# Altium PCB top_LM_v3.PcbDoc (part 6 of 6)
Units mil, origin at the board's own origin, x right, y up, seen from the top; angles counter-clockwise.
Board outline 10500 x 5830 mil, 2 copper layers (Top Layer, Bottom Layer); 771 components, 701 nets, 1994 pads, 493 vias.
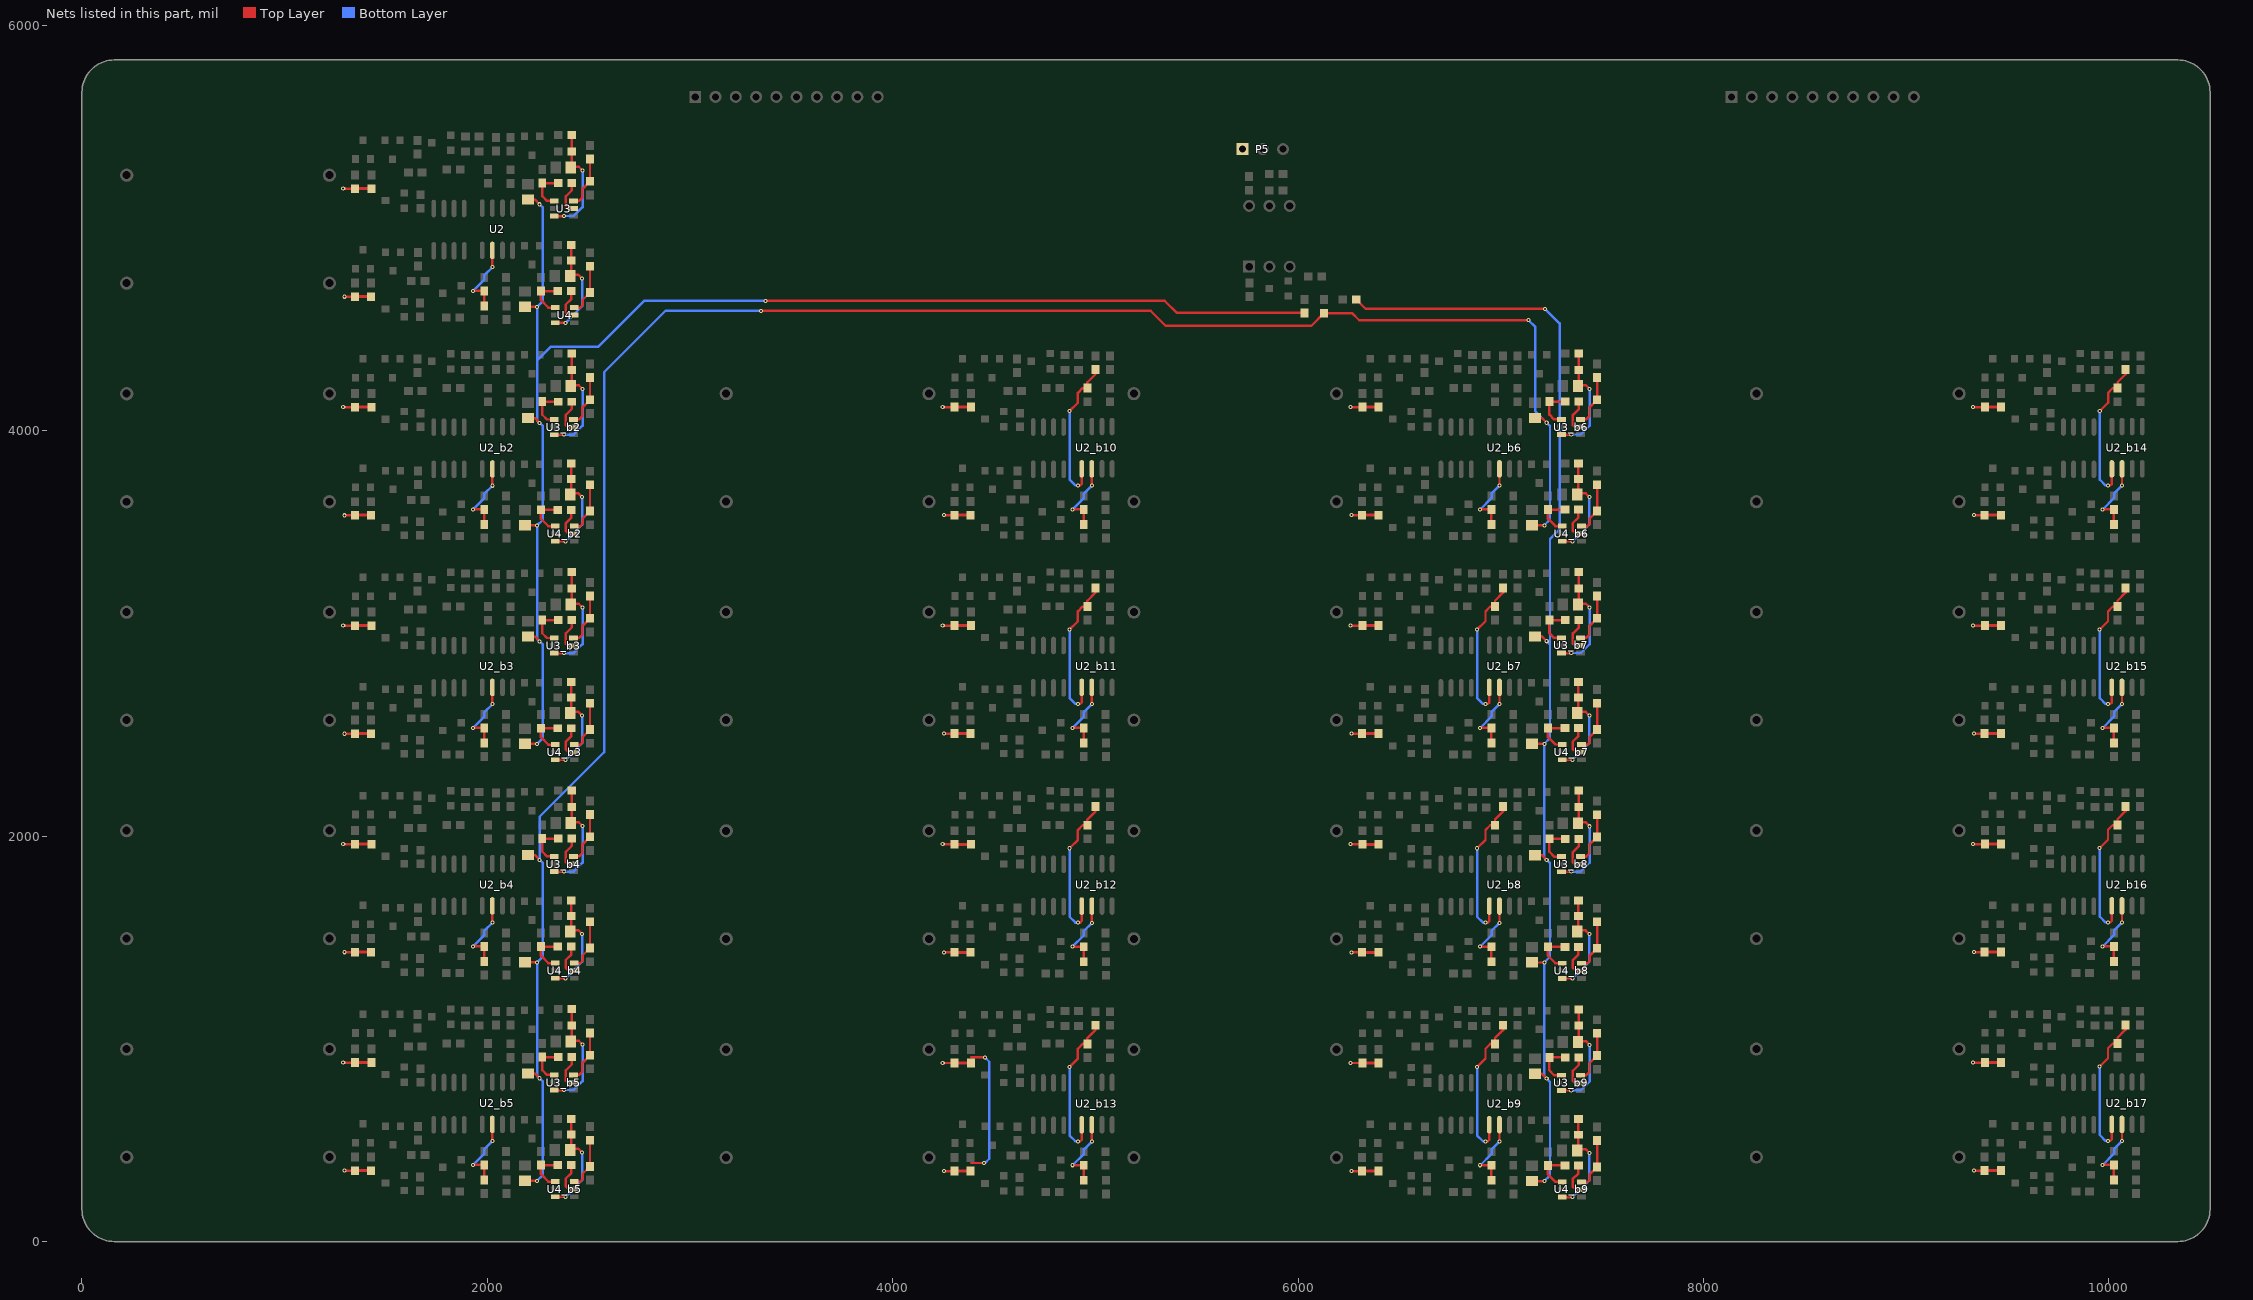
[diagram p6: the nets of this part, all layers, seen from the top]

## Via types
v1: diameter 20, hole 10, Top Layer to Bottom Layer, 402 vias
v2: diameter 40, hole 20, Top Layer to Bottom Layer, 53 vias
v3: diameter 30, hole 15, Top Layer to Bottom Layer, 34 vias
v4: diameter 125.98, hole 125.98, Top Layer to Bottom Layer, 4 vias

## Nets (pads, with @x,y where several pads share a name; then routed paths per layer and width w, separated by ;. In a path a pad name is that pad's centre, name@x,y a point inside that pad or via, vN(x,y) a via of type N, cw(c..) or ccw(c..) an arc to the next point about the centre after c; other vN are vias at no path point) (continued)
NetR47_b7_2: R47_b7.2 R48_b7.1 U2_b7.5 | length 759.5
  Top Layer w12: v1(6884.08,3019.58) 6925.08,3060.58 6925.08,3109.58 6948.54,3133.05 R48_b7.1@6972.08,3133.05 6972.08,3161.58 7012.08,3201.58 R47_b7.2@7012.08,3225.12 ; v1(6925.08,2652.58) 6936.08,2652.58 6944.08,2660.58 U2_b7.5@6944.08,2734.37
  Bottom Layer w12: v1(6884.08,3019.58) 6884.08,2681.58 6913.08,2652.58 v1(6925.08,2652.58)
NetR47_b8_2: R47_b8.2 R48_b8.1 U2_b8.5 | length 759.5
  Top Layer w12: v1(6884.08,1940.58) 6925.08,1981.58 6925.08,2030.58 6948.54,2054.05 R48_b8.1@6972.08,2054.05 6972.08,2082.58 7012.08,2122.58 R47_b8.2@7012.08,2146.12 ; v1(6925.08,1573.58) 6936.08,1573.58 6944.08,1581.58 U2_b8.5@6944.08,1655.37
  Bottom Layer w12: v1(6884.08,1940.58) 6884.08,1602.58 6913.08,1573.58 v1(6925.08,1573.58)
NetR47_b9_2: R47_b9.2 R48_b9.1 U2_b9.5 | length 759.5
  Top Layer w12: v1(6884.08,861.58) 6925.08,902.58 6925.08,951.58 6948.54,975.05 R48_b9.1@6972.08,975.05 6972.08,1003.58 7012.08,1043.58 R47_b9.2@7012.08,1067.12 ; v1(6925.08,494.58) 6936.08,494.58 6944.08,502.58 U2_b9.5@6944.08,576.37
  Bottom Layer w12: v1(6884.08,861.58) 6884.08,523.58 6913.08,494.58 v1(6925.08,494.58)
NetR47_b10_2: R47_b10.2 R48_b10.1 U2_b10.5 | length 759.5
  Top Layer w12: v1(4872.82,4097.58) 4913.82,4138.58 4913.82,4187.58 4937.29,4211.05 R48_b10.1@4960.82,4211.05 4960.82,4239.58 5000.82,4279.58 R47_b10.2@5000.82,4303.12 ; v1(4913.82,3730.58) 4924.82,3730.58 4932.82,3738.58 U2_b10.5@4932.82,3812.37
  Bottom Layer w12: v1(4872.82,4097.58) 4872.82,3759.58 4901.82,3730.58 v1(4913.82,3730.58)
NetR47_b11_2: R47_b11.2 R48_b11.1 U2_b11.5 | length 759.5
  Top Layer w12: v1(4872.82,3019.58) 4913.82,3060.58 4913.82,3109.58 4937.29,3133.05 R48_b11.1@4960.82,3133.05 4960.82,3161.58 5000.82,3201.58 R47_b11.2@5000.82,3225.12 ; v1(4913.82,2652.58) 4924.82,2652.58 4932.82,2660.58 U2_b11.5@4932.82,2734.37
  Bottom Layer w12: v1(4872.82,3019.58) 4872.82,2681.58 4901.82,2652.58 v1(4913.82,2652.58)
NetR47_b12_2: R47_b12.2 R48_b12.1 U2_b12.5 | length 759.5
  Top Layer w12: v1(4872.82,1940.58) 4913.82,1981.58 4913.82,2030.58 4937.29,2054.05 R48_b12.1@4960.82,2054.05 4960.82,2082.58 5000.82,2122.58 R47_b12.2@5000.82,2146.12 ; v1(4913.82,1573.58) 4924.82,1573.58 4932.82,1581.58 U2_b12.5@4932.82,1655.37
  Bottom Layer w12: v1(4872.82,1940.58) 4872.82,1602.58 4901.82,1573.58 v1(4913.82,1573.58)
NetR47_b13_2: R47_b13.2 R48_b13.1 U2_b13.5 | length 759.5
  Top Layer w12: v1(4872.82,861.58) 4913.82,902.58 4913.82,951.58 4937.29,975.05 R48_b13.1@4960.82,975.05 4960.82,1003.58 5000.82,1043.58 R47_b13.2@5000.82,1067.12 ; v1(4913.82,494.58) 4924.82,494.58 4932.82,502.58 U2_b13.5@4932.82,576.37
  Bottom Layer w12: v1(4872.82,861.58) 4872.82,523.58 4901.82,494.58 v1(4913.82,494.58)
NetR47_b14_2: R47_b14.2 R48_b14.1 U2_b14.5 | length 759.5
  Top Layer w12: v1(9955.82,4097.58) 9996.82,4138.58 9996.82,4187.58 10020.29,4211.05 R48_b14.1@10043.82,4211.05 10043.82,4239.58 10083.82,4279.58 R47_b14.2@10083.82,4303.12 ; v1(9996.82,3730.58) 10007.82,3730.58 10015.82,3738.58 U2_b14.5@10015.82,3812.37
  Bottom Layer w12: v1(9955.82,4097.58) 9955.82,3759.58 9984.82,3730.58 v1(9996.82,3730.58)
NetR47_b15_2: R47_b15.2 R48_b15.1 U2_b15.5 | length 759.5
  Top Layer w12: v1(9955.57,3019.58) 9996.57,3060.58 9996.57,3109.58 10020.04,3133.05 R48_b15.1@10043.57,3133.05 10043.57,3161.58 10083.57,3201.58 R47_b15.2@10083.57,3225.12 ; v1(9996.57,2652.58) 10007.57,2652.58 10015.57,2660.58 U2_b15.5@10015.57,2734.37
  Bottom Layer w12: v1(9955.57,3019.58) 9955.57,2681.58 9984.57,2652.58 v1(9996.57,2652.58)
NetR47_b16_2: R47_b16.2 R48_b16.1 U2_b16.5 | length 759.5
  Top Layer w12: v1(9955.57,1941.58) 9996.57,1982.58 9996.57,2031.58 10020.04,2055.05 R48_b16.1@10043.57,2055.05 10043.57,2083.58 10083.57,2123.58 R47_b16.2@10083.57,2147.12 ; v1(9996.57,1574.58) 10007.57,1574.58 10015.57,1582.58 U2_b16.5@10015.57,1656.37
  Bottom Layer w12: v1(9955.57,1941.58) 9955.57,1603.58 9984.57,1574.58 v1(9996.57,1574.58)
NetR47_b17_2: R47_b17.2 R48_b17.1 U2_b17.5 | length 759.5
  Top Layer w12: v1(9955.57,863.58) 9996.57,904.58 9996.57,953.58 10020.04,977.05 R48_b17.1@10043.57,977.05 10043.57,1005.58 10083.57,1045.58 R47_b17.2@10083.57,1069.12 ; v1(9996.57,496.58) 10007.57,496.58 10015.57,504.58 U2_b17.5@10015.57,578.37
  Bottom Layer w12: v1(9955.57,863.58) 9955.57,525.58 9984.57,496.58 v1(9996.57,496.58)
NetR49_2: R49.2 R50.1 U2.6 | length 370.4
  Top Layer w12: v1(1928.82,4690.58) 1984.36,4690.58 R49.2@1984.82,4690.12 R50.1@1984.82,4616.05 ; v1(2024.82,4807.58) U2.6@2024.82,4890.37
  Bottom Layer w12: v1(1928.82,4690.58) 1929.82,4690.58 1985.82,4746.58 1985.82,4768.58 v1(2024.82,4807.58)
NetR49_b2_2: R49_b2.2 R50_b2.1 U2_b2.6 | length 370.4
  Top Layer w12: v1(1928.82,3612.26) 1984.36,3612.26 R49_b2.2@1984.82,3611.8 R50_b2.1@1984.82,3537.72 ; v1(2024.82,3729.26) U2_b2.6@2024.82,3812.05
  Bottom Layer w12: v1(1928.82,3612.26) 1929.82,3612.26 1985.82,3668.26 1985.82,3690.26 v1(2024.82,3729.26)
NetR49_b3_2: R49_b3.2 R50_b3.1 U2_b3.6 | length 370.4
  Top Layer w12: v1(1928.82,2534.26) 1984.36,2534.26 R49_b3.2@1984.82,2533.8 R50_b3.1@1984.82,2459.72 ; v1(2024.82,2651.26) U2_b3.6@2024.82,2734.05
  Bottom Layer w12: v1(1928.82,2534.26) 1929.82,2534.26 1985.82,2590.26 1985.82,2612.26 v1(2024.82,2651.26)
NetR49_b4_2: R49_b4.2 R50_b4.1 U2_b4.6 | length 370.4
  Top Layer w12: v1(1928.82,1456.26) 1984.36,1456.26 R49_b4.2@1984.82,1455.8 R50_b4.1@1984.82,1381.72 ; v1(2024.82,1573.26) U2_b4.6@2024.82,1656.05
  Bottom Layer w12: v1(1928.82,1456.26) 1929.82,1456.26 1985.82,1512.26 1985.82,1534.26 v1(2024.82,1573.26)
NetR49_b5_2: R49_b5.2 R50_b5.1 U2_b5.6 | length 370.4
  Top Layer w12: v1(1928.82,378.26) 1984.36,378.26 R49_b5.2@1984.82,377.8 R50_b5.1@1984.82,303.72 ; v1(2024.82,495.26) U2_b5.6@2024.82,578.05
  Bottom Layer w12: v1(1928.82,378.26) 1929.82,378.26 1985.82,434.26 1985.82,456.26 v1(2024.82,495.26)
NetR49_b6_2: R49_b6.2 R50_b6.1 U2_b6.6 | length 370.4
  Top Layer w12: v1(6898.08,3612.58) 6953.61,3612.58 R49_b6.2@6954.08,3612.12 R50_b6.1@6954.08,3538.05 ; v1(6994.08,3729.58) U2_b6.6@6994.08,3812.37
  Bottom Layer w12: v1(6898.08,3612.58) 6899.08,3612.58 6955.08,3668.58 6955.08,3690.58 v1(6994.08,3729.58)
NetR49_b7_2: R49_b7.2 R50_b7.1 U2_b7.6 | length 370.4
  Top Layer w12: v1(6898.08,2534.58) 6953.61,2534.58 R49_b7.2@6954.08,2534.12 R50_b7.1@6954.08,2460.05 ; v1(6994.08,2651.58) U2_b7.6@6994.08,2734.37
  Bottom Layer w12: v1(6898.08,2534.58) 6899.08,2534.58 6955.08,2590.58 6955.08,2612.58 v1(6994.08,2651.58)
NetR49_b8_2: R49_b8.2 R50_b8.1 U2_b8.6 | length 370.4
  Top Layer w12: v1(6898.08,1455.58) 6953.61,1455.58 R49_b8.2@6954.08,1455.12 R50_b8.1@6954.08,1381.05 ; v1(6994.08,1572.58) U2_b8.6@6994.08,1655.37
  Bottom Layer w12: v1(6898.08,1455.58) 6899.08,1455.58 6955.08,1511.58 6955.08,1533.58 v1(6994.08,1572.58)
NetR49_b9_2: R49_b9.2 R50_b9.1 U2_b9.6 | length 370.4
  Top Layer w12: v1(6898.08,376.58) 6953.61,376.58 R49_b9.2@6954.08,376.12 R50_b9.1@6954.08,302.05 ; v1(6994.08,493.58) U2_b9.6@6994.08,576.37
  Bottom Layer w12: v1(6898.08,376.58) 6899.08,376.58 6955.08,432.58 6955.08,454.58 v1(6994.08,493.58)
NetR49_b10_2: R49_b10.2 R50_b10.1 U2_b10.6 | length 370.4
  Top Layer w12: v1(4886.82,3612.58) 4942.36,3612.58 R49_b10.2@4942.82,3612.12 R50_b10.1@4942.82,3538.05 ; v1(4982.82,3729.58) U2_b10.6@4982.82,3812.37
  Bottom Layer w12: v1(4886.82,3612.58) 4887.82,3612.58 4943.82,3668.58 4943.82,3690.58 v1(4982.82,3729.58)
NetR49_b11_2: R49_b11.2 R50_b11.1 U2_b11.6 | length 370.4
  Top Layer w12: v1(4886.82,2534.58) 4942.36,2534.58 R49_b11.2@4942.82,2534.12 R50_b11.1@4942.82,2460.05 ; v1(4982.82,2651.58) U2_b11.6@4982.82,2734.37
  Bottom Layer w12: v1(4886.82,2534.58) 4887.82,2534.58 4943.82,2590.58 4943.82,2612.58 v1(4982.82,2651.58)
NetR49_b12_2: R49_b12.2 R50_b12.1 U2_b12.6 | length 370.4
  Top Layer w12: v1(4886.82,1455.58) 4942.36,1455.58 R49_b12.2@4942.82,1455.12 R50_b12.1@4942.82,1381.05 ; v1(4982.82,1572.58) U2_b12.6@4982.82,1655.37
  Bottom Layer w12: v1(4886.82,1455.58) 4887.82,1455.58 4943.82,1511.58 4943.82,1533.58 v1(4982.82,1572.58)
NetR49_b13_2: R49_b13.2 R50_b13.1 U2_b13.6 | length 370.4
  Top Layer w12: v1(4886.82,376.58) 4942.36,376.58 R49_b13.2@4942.82,376.12 R50_b13.1@4942.82,302.05 ; v1(4982.82,493.58) U2_b13.6@4982.82,576.37
  Bottom Layer w12: v1(4886.82,376.58) 4887.82,376.58 4943.82,432.58 4943.82,454.58 v1(4982.82,493.58)
NetR49_b14_2: R49_b14.2 R50_b14.1 U2_b14.6 | length 370.4
  Top Layer w12: v1(9969.82,3612.58) 10025.36,3612.58 R49_b14.2@10025.82,3612.12 R50_b14.1@10025.82,3538.05 ; v1(10065.82,3729.58) U2_b14.6@10065.82,3812.37
  Bottom Layer w12: v1(9969.82,3612.58) 9970.82,3612.58 10026.82,3668.58 10026.82,3690.58 v1(10065.82,3729.58)
NetR49_b15_2: R49_b15.2 R50_b15.1 U2_b15.6 | length 370.4
  Top Layer w12: v1(9969.57,2534.58) 10025.11,2534.58 R49_b15.2@10025.57,2534.12 R50_b15.1@10025.57,2460.05 ; v1(10065.57,2651.58) U2_b15.6@10065.57,2734.37
  Bottom Layer w12: v1(9969.57,2534.58) 9970.57,2534.58 10026.57,2590.58 10026.57,2612.58 v1(10065.57,2651.58)
NetR49_b16_2: R49_b16.2 R50_b16.1 U2_b16.6 | length 370.4
  Top Layer w12: v1(9969.57,1456.58) 10025.11,1456.58 R49_b16.2@10025.57,1456.12 R50_b16.1@10025.57,1382.05 ; v1(10065.57,1573.58) U2_b16.6@10065.57,1656.37
  Bottom Layer w12: v1(9969.57,1456.58) 9970.57,1456.58 10026.57,1512.58 10026.57,1534.58 v1(10065.57,1573.58)
NetR49_b17_2: R49_b17.2 R50_b17.1 U2_b17.6 | length 370.4
  Top Layer w12: v1(9969.57,378.58) 10025.11,378.58 R49_b17.2@10025.57,378.12 R50_b17.1@10025.57,304.05 ; v1(10065.57,495.58) U2_b17.6@10065.57,578.37
  Bottom Layer w12: v1(9969.57,378.58) 9970.57,378.58 10026.57,434.58 10026.57,456.58 v1(10065.57,495.58)
NetR51_2: R51.2 R52.1 U3.1 | length 212.1
  Top Layer w12: U3.1@2330.76,5134.4 2294.6,5134.4 2271,5158 R52.1@2271,5222.54 R51.2@2349,5222.54
NetR51_b2_2: R51_b2.2 R52_b2.1 U3_b2.1 | length 212.1
  Top Layer w12: U3_b2.1@2330.76,4056.08 2294.6,4056.08 2271,4079.68 R52_b2.1@2271,4144.21 R51_b2.2@2349,4144.21
NetR51_b3_2: R51_b3.2 R52_b3.1 U3_b3.1 | length 212.1
  Top Layer w12: U3_b3.1@2330.76,2978.08 2294.6,2978.08 2271,3001.68 R52_b3.1@2271,3066.21 R51_b3.2@2349,3066.21
NetR51_b4_2: R51_b4.2 R52_b4.1 U3_b4.1 | length 212.1
  Top Layer w12: U3_b4.1@2330.76,1900.08 2294.6,1900.08 2271,1923.68 R52_b4.1@2271,1988.21 R51_b4.2@2349,1988.21
NetR51_b5_2: R51_b5.2 R52_b5.1 U3_b5.1 | length 212.1
  Top Layer w12: U3_b5.1@2330.76,822.08 2294.6,822.08 2271,845.68 R52_b5.1@2271,910.21 R51_b5.2@2349,910.21
NetR51_b6_2: R51_b6.2 R52_b6.1 U3_b6.1 | length 212.1
  Top Layer w12: U3_b6.1@7300.01,4056.4 7263.85,4056.4 7240.25,4080 R52_b6.1@7240.25,4144.54 R51_b6.2@7318.25,4144.54
NetR51_b7_2: R51_b7.2 R52_b7.1 U3_b7.1 | length 212.1
  Top Layer w12: U3_b7.1@7300.01,2978.4 7263.85,2978.4 7240.25,3002 R52_b7.1@7240.25,3066.54 R51_b7.2@7318.25,3066.54
NetR51_b8_2: R51_b8.2 R52_b8.1 U3_b8.1 | length 212.1
  Top Layer w12: U3_b8.1@7300.01,1899.4 7263.85,1899.4 7240.25,1923 R52_b8.1@7240.25,1987.54 R51_b8.2@7318.25,1987.54
NetR51_b9_2: R51_b9.2 R52_b9.1 U3_b9.1 | length 212.1
  Top Layer w12: U3_b9.1@7300.01,820.4 7263.85,820.4 7240.25,844 R52_b9.1@7240.25,908.54 R51_b9.2@7318.25,908.54
NetR51_b10_2: 
NetR51_b11_2: 
NetR51_b12_2: 
NetR51_b13_2: 
NetR51_b14_2: 
NetR51_b15_2: 
NetR51_b16_2: 
NetR51_b17_2: 
NetR53_1: R53.1 R54.1 U4.1 | length 213.5
  Top Layer w12: U4.1@2334.76,4608.4 2300.6,4608.4 2264,4645 R54.1@2264,4689.54 R53.1@2347,4689.54
NetR53_b2_1: R53_b2.1 R54_b2.1 U4_b2.1 | length 213.5
  Top Layer w12: U4_b2.1@2334.76,3530.08 2300.6,3530.08 2264,3566.68 R54_b2.1@2264,3611.21 R53_b2.1@2347,3611.21
NetR53_b3_1: R53_b3.1 R54_b3.1 U4_b3.1 | length 213.5
  Top Layer w12: U4_b3.1@2334.76,2452.08 2300.6,2452.08 2264,2488.68 R54_b3.1@2264,2533.21 R53_b3.1@2347,2533.21
NetR53_b4_1: R53_b4.1 R54_b4.1 U4_b4.1 | length 213.5
  Top Layer w12: U4_b4.1@2334.76,1374.08 2300.6,1374.08 2264,1410.68 R54_b4.1@2264,1455.21 R53_b4.1@2347,1455.21
NetR53_b5_1: R53_b5.1 R54_b5.1 U4_b5.1 | length 213.5
  Top Layer w12: U4_b5.1@2334.76,296.08 2300.6,296.08 2264,332.68 R54_b5.1@2264,377.21 R53_b5.1@2347,377.21
NetR53_b6_1: R53_b6.1 R54_b6.1 U4_b6.1 | length 213.5
  Top Layer w12: U4_b6.1@7304.01,3530.4 7269.85,3530.4 7233.25,3567 R54_b6.1@7233.25,3611.54 R53_b6.1@7316.25,3611.54
NetR53_b7_1: R53_b7.1 R54_b7.1 U4_b7.1 | length 213.5
  Top Layer w12: U4_b7.1@7304.01,2452.4 7269.85,2452.4 7233.25,2489 R54_b7.1@7233.25,2533.54 R53_b7.1@7316.25,2533.54
NetR53_b8_1: R53_b8.1 R54_b8.1 U4_b8.1 | length 213.5
  Top Layer w12: U4_b8.1@7304.01,1373.4 7269.85,1373.4 7233.25,1410 R54_b8.1@7233.25,1454.54 R53_b8.1@7316.25,1454.54
NetR53_b9_1: R53_b9.1 R54_b9.1 U4_b9.1 | length 213.5
  Top Layer w12: U4_b9.1@7304.01,294.4 7269.85,294.4 7233.25,331 R54_b9.1@7233.25,375.54 R53_b9.1@7316.25,375.54
NetR53_b10_1: 
NetR53_b11_1: 
NetR53_b12_1: 
NetR53_b13_1: 
NetR53_b14_1: 
NetR53_b15_1: 
NetR53_b16_1: 
NetR53_b17_1: 
OUT2: D1.2 D1_b2.2 D1_b3.2 D2.2 D2_b2.2 D2_b3.2 R29.1 | length 7046.4
  Top Layer w12: D2_b3.2@2185.6,2455.68 v1(2246,2455.68) ; D2_b2.2@2185.6,3533.68 v1(2246,3533.68) ; D2.2@2185.6,4612 v1(2246,4612) ; D1_b3.2@2200,2985.28 2234.4,2985.28 v1(2258,2961.68) ; D1_b2.2@2200,4063.28 2234.4,4063.28 v1(2258,4039.68) ; D1.2@2200,5141.6 2234.4,5141.6 v1(2258,5118) ; v1(3372.82,4641.32) 5342.82,4641.32 5402.29,4581.86 R29.1@6031.82,4581.86
  Bottom Layer w12: v1@2246,2457.68 v1(2246,2455.68) 2274,2483.68 2274,2945.68 v1(2258,2961.68) 2246,2973.68 v1(2246,3533.68) 2274,3561.68 2274,4023.68 v1(2258,4039.68) 2246,4051.68 2246,4347 ; v1(2258,5118) 2274,5102 2274,4640 v1(2246,4612) 2246,4347 ; v1@3372.44,4641.71 v1(3372.82,4641.32) 2773.32,4641.32 2548,4416 2315,4416 2246,4347
OUT5: D1_b4.2 D1_b5.2 D1_b6.2 D2_b4.2 D2_b5.2 D2_b6.2 R30.1 | length 10376.3
  Top Layer w12: D2_b5.2@2185.6,299.68 v1(2246,299.68) ; D2_b4.2@2185.6,1377.68 v1(2246,1377.68) ; D1_b5.2@2200,829.28 2234.4,829.28 v1(2258,805.68) ; D1_b4.2@2200,1907.28 2234.4,1907.28 v1(2258,1883.68) ; v1(3350.82,4592.32) 5272.82,4592.32 5346.82,4518.32 6066.29,4518.32 R30.1@6128.82,4580.86 6267.14,4580.86 6302,4546 v1(7137,4546) ; D2_b6.2@7154.85,3534 v1(7215.25,3534) ; D1_b6.2@7169.25,4063.6 7203.65,4063.6 v1(7227.25,4040)
  Bottom Layer w12: v1@2246,301.68 v1(2246,299.68) 2274,327.68 2274,789.68 v1(2258,805.68) 2246,817.68 v1(2246,1377.68) 2274,1405.68 2274,1867.68 v1(2258,1883.68) 2258,2096 2576,2414 2576,4289.14 2879.18,4592.32 v1(3350.82,4592.32) ; v1(7137,4546) 7171,4512 7171,4096.25 v1(7227.25,4040) 7243.25,4024 7243.25,3562 v1(7215.25,3534) v1@7215.25,3536
OUT8: D1_b7.2 D1_b8.2 D1_b9.2 D2_b7.2 D2_b8.2 D2_b9.2 R31.1 | length 5771.8
  Top Layer w12: R31.1@6287.46,4649 6334.46,4602 v1(7219,4602) ; D2_b9.2@7154.85,298 v1(7215.25,298) ; D2_b8.2@7154.85,1377 v1(7215.25,1377) ; D2_b7.2@7154.85,2456 v1(7215.25,2456) ; D1_b9.2@7169.25,827.6 7203.65,827.6 v1(7227.25,804) ; D1_b8.2@7169.25,1906.6 7203.65,1906.6 v1(7227.25,1883) ; D1_b7.2@7169.25,2985.6 7203.65,2985.6 v1(7227.25,2962)
  Bottom Layer w12: v1@7215.25,300 v1(7215.25,298) 7243.25,326 7243.25,788 v1(7227.25,804) 7215.25,816 v1(7215.25,1377) 7243.25,1405 7243.25,1867 v1(7227.25,1883) 7215.25,1895 v1(7215.25,2456) 7243.25,2484 7243.25,2946 ; v1(7219,4602) 7291,4530 7291,3514 7243.25,3466.25 7243.25,2946 ; v1(7227.25,2962) 7243.25,2946
OUT9: 
OUT10: 
OUT11: 
OUT12: 
OUT13: 
OUT14:  | length 675.9
  Top Layer w12: 4386.69,387.45 v1(4450.29,387.45) ; 4386.69,908.45 v1(4455.29,908.45)
  Bottom Layer w12: v1(4450.29,387.45) 4455.57,387.45 4476.44,408.32 4476.44,887.3 v1(4455.29,908.45)
OUT15: 
OUT16: 
OUT_G16: P5.1 R39.1 R39_b2.1 R39_b3.1 R39_b4.1 R39_b5.1 R39_b6.1 R39_b7.1 R39_b8.1 R39_b9.1 R39_b10.1 R39_b11.1 R39_b12.1 R39_b13.1 R39_b14.1 R39_b15.1 R39_b16.1 R39_b17.1 R40.2 R40_b2.2 R40_b3.2 R40_b4.2 R40_b5.2 R40_b6.2 R40_b7.2 R40_b8.2 R40_b9.2 R40_b10.2 R40_b11.2 R40_b12.2 R40_b13.2 R40_b14.2 R40_b15.2 R40_b16.2 R40_b17.2 R41.2 R41_b2.2 R41_b3.2 R41_b4.2 R41_b5.2 R41_b6.2 R41_b7.2 R41_b8.2 R41_b9.2 R41_b10.2 R41_b11.2 R41_b12.2 R41_b13.2 R41_b14.2 R41_b15.2 R41_b16.2 R41_b17.2 R42.2 R42_b2.2 R42_b3.2 R42_b4.2 R42_b5.2 R42_b6.2 R42_b7.2 R42_b8.2 R42_b9.2 R42_b10.2 R42_b11.2 R42_b12.2 R42_b13.2 R42_b14.2 R42_b15.2 R42_b16.2 R42_b17.2 | length 4622.5
  Top Layer w12: v1@1289.82,882.8 R39_b5.1@1347.82,882.8 ; v1@1289.82,1960.8 R39_b4.1@1347.82,1960.8 ; v1@1289.82,3038.8 R39_b3.1@1347.82,3038.8 ; v1@1289.82,4116.8 R39_b2.1@1347.82,4116.8 ; v1@1289.82,5195.12 R39.1@1347.82,5195.12 ; v1(1295.08,349.54) R41_b5.2@1346.56,349.54 ; v1(1295.08,1427.54) R41_b4.2@1346.56,1427.54 ; v1(1295.08,2505.54) R41_b3.2@1346.56,2505.54 ; v1(1295.08,3583.54) R41_b2.2@1346.56,3583.54 ; v1(1295.08,4661.86) R41.2@1346.56,4661.86 ; v1@4247.82,881.12 R39_b13.1@4305.82,881.12 ; v1@4247.82,1960.12 R39_b12.1@4305.82,1960.12 ; v1@4247.82,3039.12 R39_b11.1@4305.82,3039.12 ; v1@4247.82,4117.12 R39_b10.1@4305.82,4117.12 ; v1(4253.08,347.86) R41_b13.2@4304.56,347.86 ; v1(4253.08,1426.86) R41_b12.2@4304.56,1426.86 ; v1(4253.08,2505.86) R41_b11.2@4304.56,2505.86 ; v1(4253.08,3583.86) R41_b10.2@4304.56,3583.86 ; v1@6259.07,881.12 R39_b9.1@6317.08,881.12 ; v1@6259.07,1960.12 R39_b8.1@6317.08,1960.12 ; v1@6259.07,3039.12 R39_b7.1@6317.08,3039.12 ; v1@6259.07,4117.12 R39_b6.1@6317.08,4117.12 ; v1(6264.33,347.86) R41_b9.2@6315.82,347.86 ; v1(6264.33,1426.86) R41_b8.2@6315.82,1426.86 ; v1(6264.33,2505.86) R41_b7.2@6315.82,2505.86 ; v1(6264.33,3583.86) R41_b6.2@6315.82,3583.86 ; v1@9330.56,883.12 R39_b17.1@9388.57,883.12 ; v1@9330.56,1961.12 R39_b16.1@9388.57,1961.12 ; v1@9330.56,3039.12 R39_b15.1@9388.57,3039.12 ; v1@9330.82,4117.12 R39_b14.1@9388.82,4117.12 ; v1(9335.82,349.86) R41_b17.2@9387.31,349.86 ; v1(9335.82,1427.86) R41_b16.2@9387.31,1427.86 ; v1(9335.82,2505.86) R41_b15.2@9387.31,2505.86 ; v1(9336.08,3583.86) R41_b14.2@9387.56,3583.86
  Top Layer w15: v1(1289.08,883.54) v1@1289.82,882.8 ; v1(1289.08,1961.54) v1@1289.82,1960.8 ; v1(1289.08,3039.54) v1@1289.82,3038.8 ; v1(1289.08,4117.54) v1@1289.82,4116.8 ; v1(1289.08,5195.86) v1@1289.82,5195.12 ; R41_b5.2@1346.56,349.54 R41_b5.2@1346.82,349.8 R42_b5.2@1426.82,349.8 ; R41_b4.2@1346.56,1427.54 R41_b4.2@1346.82,1427.8 R42_b4.2@1426.82,1427.8 ; R41_b3.2@1346.56,2505.54 R41_b3.2@1346.82,2505.8 R42_b3.2@1426.82,2505.8 ; R41_b2.2@1346.56,3583.54 R41_b2.2@1346.82,3583.8 R42_b2.2@1426.82,3583.8 ; R41.2@1346.56,4661.86 R41.2@1346.82,4662.12 R42.2@1426.82,4662.12 ; R39_b5.1@1347.82,882.8 R40_b5.2@1428.82,882.8 ; R39_b4.1@1347.82,1960.8 R40_b4.2@1428.82,1960.8 ; R39_b3.1@1347.82,3038.8 R40_b3.2@1428.82,3038.8 ; R39_b2.1@1347.82,4116.8 R40_b2.2@1428.82,4116.8 ; R39.1@1347.82,5195.12 R40.2@1428.82,5195.12 ; v1(4247.08,881.86) v1@4247.82,881.12 ; v1(4247.08,1960.86) v1@4247.82,1960.12 ; v1(4247.08,3039.86) v1@4247.82,3039.12 ; v1(4247.08,4117.86) v1@4247.82,4117.12 ; R41_b13.2@4304.56,347.86 R41_b13.2@4304.82,348.12 R42_b13.2@4384.82,348.12 ; R41_b12.2@4304.56,1426.86 R41_b12.2@4304.82,1427.12 R42_b12.2@4384.82,1427.12 ; R41_b11.2@4304.56,2505.86 R41_b11.2@4304.82,2506.12 R42_b11.2@4384.82,2506.12 ; R41_b10.2@4304.56,3583.86 R41_b10.2@4304.82,3584.12 R42_b10.2@4384.82,3584.12 ; R39_b13.1@4305.82,881.12 R40_b13.2@4386.82,881.12 ; R39_b12.1@4305.82,1960.12 R40_b12.2@4386.82,1960.12 ; R39_b11.1@4305.82,3039.12 R40_b11.2@4386.82,3039.12 ; R39_b10.1@4305.82,4117.12 R40_b10.2@4386.82,4117.12 ; v1(6258.33,881.86) v1@6259.07,881.12 ; v1(6258.33,1960.86) v1@6259.07,1960.12 ; v1(6258.33,3039.86) v1@6259.07,3039.12 ; v1(6258.33,4117.86) v1@6259.07,4117.12 ; R41_b9.2@6315.82,347.86 R41_b9.2@6316.08,348.12 R42_b9.2@6396.08,348.12 ; R41_b8.2@6315.82,1426.86 R41_b8.2@6316.08,1427.12 R42_b8.2@6396.08,1427.12 ; R41_b7.2@6315.82,2505.86 R41_b7.2@6316.08,2506.12 R42_b7.2@6396.08,2506.12 ; R41_b6.2@6315.82,3583.86 R41_b6.2@6316.08,3584.12 R42_b6.2@6396.08,3584.12 ; R39_b9.1@6317.08,881.12 R40_b9.2@6398.08,881.12 ; R39_b8.1@6317.08,1960.12 R40_b8.2@6398.08,1960.12 ; R39_b7.1@6317.08,3039.12 R40_b7.2@6398.08,3039.12 ; R39_b6.1@6317.08,4117.12 R40_b6.2@6398.08,4117.12 ; v1(9329.82,883.86) v1@9330.56,883.12 ; v1(9329.82,1961.86) v1@9330.56,1961.12 ; v1(9329.82,3039.86) v1@9330.56,3039.12 ; v1(9330.08,4117.86) v1@9330.82,4117.12 ; R41_b17.2@9387.31,349.86 R41_b17.2@9387.57,350.12 R42_b17.2@9467.57,350.12 ; R41_b16.2@9387.31,1427.86 R41_b16.2@9387.57,1428.12 R42_b16.2@9467.57,1428.12 ; R41_b15.2@9387.31,2505.86 R41_b15.2@9387.57,2506.12 R42_b15.2@9467.57,2506.12 ; R41_b14.2@9387.56,3583.86 R41_b14.2@9387.82,3584.12 R42_b14.2@9467.82,3584.12 ; R39_b17.1@9388.57,883.12 R40_b17.2@9469.57,883.12 ; R39_b16.1@9388.57,1961.12 R40_b16.2@9469.57,1961.12 ; R39_b15.1@9388.57,3039.12 R40_b15.2@9469.57,3039.12 ; R39_b14.1@9388.82,4117.12 R40_b14.2@9469.82,4117.12
REF1: R51.1 U3.5 | length 170.2
  Top Layer w12: R51.1@2416.46,5222 2416.46,5186.46 2387,5157 2387,5106 2396,5097 U3.5@2425.24,5097
REF1_b2: R51_b2.1 U3_b2.5 | length 170.2
  Top Layer w12: R51_b2.1@2416.46,4143.68 2416.46,4108.14 2387,4078.68 2387,4027.68 2396,4018.68 U3_b2.5@2425.24,4018.68
REF1_b3: R51_b3.1 U3_b3.5 | length 170.2
  Top Layer w12: R51_b3.1@2416.46,3065.68 2416.46,3030.14 2387,3000.68 2387,2949.68 2396,2940.68 U3_b3.5@2425.24,2940.68
REF1_b4: R51_b4.1 U3_b4.5 | length 170.2
  Top Layer w12: R51_b4.1@2416.46,1987.68 2416.46,1952.14 2387,1922.68 2387,1871.68 2396,1862.68 U3_b4.5@2425.24,1862.68
REF1_b5: R51_b5.1 U3_b5.5 | length 170.2
  Top Layer w12: R51_b5.1@2416.46,909.68 2416.46,874.14 2387,844.68 2387,793.68 2396,784.68 U3_b5.5@2425.24,784.68
REF1_b6: R51_b6.1 U3_b6.5 | length 170.2
  Top Layer w12: R51_b6.1@7385.72,4144 7385.72,4108.46 7356.25,4079 7356.25,4028 7365.25,4019 U3_b6.5@7394.5,4019
REF1_b7: R51_b7.1 U3_b7.5 | length 170.2
  Top Layer w12: R51_b7.1@7385.72,3066 7385.72,3030.46 7356.25,3001 7356.25,2950 7365.25,2941 U3_b7.5@7394.5,2941
REF1_b8: R51_b8.1 U3_b8.5 | length 170.2
  Top Layer w12: R51_b8.1@7385.72,1987 7385.72,1951.46 7356.25,1922 7356.25,1871 7365.25,1862 U3_b8.5@7394.5,1862
REF1_b9: R51_b9.1 U3_b9.5 | length 170.2
  Top Layer w12: R51_b9.1@7385.72,908 7385.72,872.46 7356.25,843 7356.25,792 7365.25,783 U3_b9.5@7394.5,783
REF1_b10: 
REF1_b11: 
REF1_b12: 
REF1_b13: 
REF1_b14: 
REF1_b15: 
REF1_b16: 
REF1_b17: 
REF2: R53.2 U4.5 | length 164.2
  Top Layer w12: R53.2@2414.46,4689 2414.46,4650.46 2386,4622 2386,4586 2401,4571 U4.5@2429.24,4571
REF2_b2: R53_b2.2 U4_b2.5 | length 164.2
  Top Layer w12: R53_b2.2@2414.46,3610.68 2414.46,3572.14 2386,3543.68 2386,3507.68 2401,3492.68 U4_b2.5@2429.24,3492.68
REF2_b3: R53_b3.2 U4_b3.5 | length 164.2
  Top Layer w12: R53_b3.2@2414.46,2532.68 2414.46,2494.14 2386,2465.68 2386,2429.68 2401,2414.68 U4_b3.5@2429.24,2414.68
REF2_b4: R53_b4.2 U4_b4.5 | length 164.2
  Top Layer w12: R53_b4.2@2414.46,1454.68 2414.46,1416.14 2386,1387.68 2386,1351.68 2401,1336.68 U4_b4.5@2429.24,1336.68
REF2_b5: R53_b5.2 U4_b5.5 | length 164.2
  Top Layer w12: R53_b5.2@2414.46,376.68 2414.46,338.14 2386,309.68 2386,273.68 2401,258.68 U4_b5.5@2429.24,258.68
REF2_b6: R53_b6.2 U4_b6.5 | length 164.2
  Top Layer w12: R53_b6.2@7383.72,3611 7383.72,3572.46 7355.25,3544 7355.25,3508 7370.25,3493 U4_b6.5@7398.5,3493
REF2_b7: R53_b7.2 U4_b7.5 | length 164.2
  Top Layer w12: R53_b7.2@7383.72,2533 7383.72,2494.46 7355.25,2466 7355.25,2430 7370.25,2415 U4_b7.5@7398.5,2415
REF2_b8: R53_b8.2 U4_b8.5 | length 164.2
  Top Layer w12: R53_b8.2@7383.72,1454 7383.72,1415.46 7355.25,1387 7355.25,1351 7370.25,1336 U4_b8.5@7398.5,1336
REF2_b9: R53_b9.2 U4_b9.5 | length 164.2
  Top Layer w12: R53_b9.2@7383.72,375 7383.72,336.46 7355.25,308 7355.25,272 7370.25,257 U4_b9.5@7398.5,257
REF2_b10: 
REF2_b11: 
REF2_b12: 
REF2_b13: 
REF2_b14: 
REF2_b15: 
REF2_b16: 
REF2_b17: 
VIN1: R8.1 R13.2 U3.6 | length 256.5
  Top Layer w12: U3.6@2425.24,5134.4 2452.24,5134.4 2469,5151.16 2469,5193.63 R13.2@2506.69,5231.32 R8.1@2506.69,5341.39
VIN1_b2: R8_b2.1 R13_b2.2 U3_b2.6 | length 256.5
  Top Layer w12: U3_b2.6@2425.24,4056.08 2452.24,4056.08 2469,4072.84 2469,4115.31 R13_b2.2@2506.69,4153 R8_b2.1@2506.69,4263.07
VIN1_b3: R8_b3.1 R13_b3.2 U3_b3.6 | length 256.5
  Top Layer w12: U3_b3.6@2425.24,2978.08 2452.24,2978.08 2469,2994.84 2469,3037.31 R13_b3.2@2506.69,3075 R8_b3.1@2506.69,3185.07
VIN1_b4: R8_b4.1 R13_b4.2 U3_b4.6 | length 256.5
  Top Layer w12: U3_b4.6@2425.24,1900.08 2452.24,1900.08 2469,1916.84 2469,1959.31 R13_b4.2@2506.69,1997 R8_b4.1@2506.69,2107.07
VIN1_b5: R8_b5.1 R13_b5.2 U3_b5.6 | length 256.5
  Top Layer w12: U3_b5.6@2425.24,822.08 2452.24,822.08 2469,838.84 2469,881.31 R13_b5.2@2506.69,919 R8_b5.1@2506.69,1029.07
VIN1_b6: R8_b6.1 R13_b6.2 U3_b6.6 | length 256.5
  Top Layer w12: U3_b6.6@7394.5,4056.4 7421.5,4056.4 7438.25,4073.16 7438.25,4115.63 R13_b6.2@7475.94,4153.32 R8_b6.1@7475.94,4263.39
VIN1_b7: R8_b7.1 R13_b7.2 U3_b7.6 | length 256.5
  Top Layer w12: U3_b7.6@7394.5,2978.4 7421.5,2978.4 7438.25,2995.16 7438.25,3037.63 R13_b7.2@7475.94,3075.32 R8_b7.1@7475.94,3185.39
VIN1_b8: R8_b8.1 R13_b8.2 U3_b8.6 | length 256.5
  Top Layer w12: U3_b8.6@7394.5,1899.4 7421.5,1899.4 7438.25,1916.16 7438.25,1958.63 R13_b8.2@7475.94,1996.32 R8_b8.1@7475.94,2106.39
VIN1_b9: R8_b9.1 R13_b9.2 U3_b9.6 | length 256.5
  Top Layer w12: U3_b9.6@7394.5,820.4 7421.5,820.4 7438.25,837.16 7438.25,879.63 R13_b9.2@7475.94,917.32 R8_b9.1@7475.94,1027.39
VIN1_b10: 
VIN1_b11: 
VIN1_b12: 
VIN1_b13: 
VIN1_b14: 
VIN1_b15: 
VIN1_b16: 
VIN1_b17: 
VIN2: R21.1 R24.2 U4.6 | length 253.1
  Top Layer w12: U4.6@2429.24,4608.4 2458.4,4608.4 2471,4621 2471,4646.63 R24.2@2506.69,4682.32 R21.1@2506.69,4812.39
VIN2_b2: R21_b2.1 R24_b2.2 U4_b2.6 | length 253.1
  Top Layer w12: U4_b2.6@2429.24,3530.08 2458.4,3530.08 2471,3542.68 2471,3568.31 R24_b2.2@2506.69,3604 R21_b2.1@2506.69,3734.07
VIN2_b3: R21_b3.1 R24_b3.2 U4_b3.6 | length 253.1
  Top Layer w12: U4_b3.6@2429.24,2452.08 2458.4,2452.08 2471,2464.68 2471,2490.31 R24_b3.2@2506.69,2526 R21_b3.1@2506.69,2656.07
VIN2_b4: R21_b4.1 R24_b4.2 U4_b4.6 | length 253.1
  Top Layer w12: U4_b4.6@2429.24,1374.08 2458.4,1374.08 2471,1386.68 2471,1412.31 R24_b4.2@2506.69,1448 R21_b4.1@2506.69,1578.07
VIN2_b5: R21_b5.1 R24_b5.2 U4_b5.6 | length 253.1
  Top Layer w12: U4_b5.6@2429.24,296.08 2458.4,296.08 2471,308.68 2471,334.31 R24_b5.2@2506.69,370 R21_b5.1@2506.69,500.07
VIN2_b6: R21_b6.1 R24_b6.2 U4_b6.6 | length 253.1
  Top Layer w12: U4_b6.6@7398.5,3530.4 7427.65,3530.4 7440.25,3543 7440.25,3568.63 R24_b6.2@7475.94,3604.32 R21_b6.1@7475.94,3734.39
VIN2_b7: R21_b7.1 R24_b7.2 U4_b7.6 | length 253.1
  Top Layer w12: U4_b7.6@7398.5,2452.4 7427.65,2452.4 7440.25,2465 7440.25,2490.63 R24_b7.2@7475.94,2526.32 R21_b7.1@7475.94,2656.39
VIN2_b8: R21_b8.1 R24_b8.2 U4_b8.6 | length 253.1
  Top Layer w12: U4_b8.6@7398.5,1373.4 7427.65,1373.4 7440.25,1386 7440.25,1411.63 R24_b8.2@7475.94,1447.32 R21_b8.1@7475.94,1577.39
VIN2_b9: R21_b9.1 R24_b9.2 U4_b9.6 | length 253.1
  Top Layer w12: U4_b9.6@7398.5,294.4 7427.65,294.4 7440.25,307 7440.25,332.63 R24_b9.2@7475.94,368.32 R21_b9.1@7475.94,498.39
VIN2_b10: 
VIN2_b11: 
VIN2_b12: 
VIN2_b13: 
VIN2_b14: 
VIN2_b15: 
VIN2_b16: 
VIN2_b17: 
VOUT1: D3.2 R7.1 R32.1 U3.3 | length 556
  Top Layer w12: U3.3@2330.76,5059.6 2378.6,5059.6 v1(2379,5060) ; R7.1@2416.46,5460 R32.1@2416.46,5379 2416.46,5303.06 2450.94,5303.06 v1(2470,5284)
  Bottom Layer w12: v1(2379,5060) 2426,5060 2470,5104 v1(2470,5284)
VOUT1_b2: D3_b2.2 R7_b2.1 R32_b2.1 U3_b2.3 | length 556
  Top Layer w12: U3_b2.3@2330.76,3981.28 2378.6,3981.28 v1(2379,3981.68) ; R7_b2.1@2416.46,4381.68 R32_b2.1@2416.46,4300.68 2416.46,4224.74 2450.94,4224.74 v1(2470,4205.68)
  Bottom Layer w12: v1(2379,3981.68) 2426,3981.68 2470,4025.68 v1(2470,4205.68)
VOUT1_b3: D3_b3.2 R7_b3.1 R32_b3.1 U3_b3.3 | length 556
  Top Layer w12: U3_b3.3@2330.76,2903.28 2378.6,2903.28 v1(2379,2903.68) ; R7_b3.1@2416.46,3303.68 R32_b3.1@2416.46,3222.68 2416.46,3146.74 2450.94,3146.74 v1(2470,3127.68)
  Bottom Layer w12: v1(2379,2903.68) 2426,2903.68 2470,2947.68 v1(2470,3127.68)
VOUT1_b4: D3_b4.2 R7_b4.1 R32_b4.1 U3_b4.3 | length 556
  Top Layer w12: U3_b4.3@2330.76,1825.28 2378.6,1825.28 v1(2379,1825.68) ; R7_b4.1@2416.46,2225.68 R32_b4.1@2416.46,2144.68 2416.46,2068.74 2450.94,2068.74 v1(2470,2049.68)
  Bottom Layer w12: v1(2379,1825.68) 2426,1825.68 2470,1869.68 v1(2470,2049.68)
VOUT1_b5: D3_b5.2 R7_b5.1 R32_b5.1 U3_b5.3 | length 556
  Top Layer w12: U3_b5.3@2330.76,747.28 2378.6,747.28 v1(2379,747.68) ; R7_b5.1@2416.46,1147.68 R32_b5.1@2416.46,1066.68 2416.46,990.74 2450.94,990.74 v1(2470,971.68)
  Bottom Layer w12: v1(2379,747.68) 2426,747.68 2470,791.68 v1(2470,971.68)
VOUT1_b6: D3_b6.2 R7_b6.1 R32_b6.1 U3_b6.3 | length 556
  Top Layer w12: U3_b6.3@7300.01,3981.6 7347.85,3981.6 v1(7348.25,3982) ; R7_b6.1@7385.72,4382 R32_b6.1@7385.72,4301 7385.72,4225.06 7420.19,4225.06 v1(7439.25,4206)
  Bottom Layer w12: v1(7348.25,3982) 7395.25,3982 7439.25,4026 v1(7439.25,4206)
VOUT1_b7: D3_b7.2 R7_b7.1 R32_b7.1 U3_b7.3 | length 556
  Top Layer w12: U3_b7.3@7300.01,2903.6 7347.85,2903.6 v1(7348.25,2904) ; R7_b7.1@7385.72,3304 R32_b7.1@7385.72,3223 7385.72,3147.06 7420.19,3147.06 v1(7439.25,3128)
  Bottom Layer w12: v1(7348.25,2904) 7395.25,2904 7439.25,2948 v1(7439.25,3128)
VOUT1_b8: D3_b8.2 R7_b8.1 R32_b8.1 U3_b8.3 | length 556
  Top Layer w12: U3_b8.3@7300.01,1824.6 7347.85,1824.6 v1(7348.25,1825) ; R7_b8.1@7385.72,2225 R32_b8.1@7385.72,2144 7385.72,2068.06 7420.19,2068.06 v1(7439.25,2049)
  Bottom Layer w12: v1(7348.25,1825) 7395.25,1825 7439.25,1869 v1(7439.25,2049)
VOUT1_b9: D3_b9.2 R7_b9.1 R32_b9.1 U3_b9.3 | length 556
  Top Layer w12: U3_b9.3@7300.01,745.6 7347.85,745.6 v1(7348.25,746) ; R7_b9.1@7385.72,1146 R32_b9.1@7385.72,1065 7385.72,989.06 7420.19,989.06 v1(7439.25,970)
  Bottom Layer w12: v1(7348.25,746) 7395.25,746 7439.25,790 v1(7439.25,970)
VOUT1_b10: 
VOUT1_b11: 
VOUT1_b12: 
VOUT1_b13: 
VOUT1_b14: 
VOUT1_b15: 
VOUT1_b16: 
VOUT1_b17: 
VOUT2: D4.2 R20.1 R33.1 U4.3 | length 513.4
  Top Layer w12: U4.3@2334.76,4533.6 2335.35,4533 v1(2386,4533) ; R20.1@2414.46,4918 R33.1@2414.46,4841 2414.46,4770.06 2449.94,4770.06 v1(2468,4752)
  Bottom Layer w12: v1(2386,4533) 2468,4615 v1(2468,4752)
VOUT2_b2: D4_b2.2 R20_b2.1 R33_b2.1 U4_b2.3 | length 513.4
  Top Layer w12: U4_b2.3@2334.76,3455.28 2335.35,3454.68 v1(2386,3454.68) ; R20_b2.1@2414.46,3839.68 R33_b2.1@2414.46,3762.68 2414.46,3691.74 2449.94,3691.74 v1(2468,3673.68)
  Bottom Layer w12: v1(2386,3454.68) 2468,3536.68 v1(2468,3673.68)
VOUT2_b3: D4_b3.2 R20_b3.1 R33_b3.1 U4_b3.3 | length 513.4
  Top Layer w12: U4_b3.3@2334.76,2377.28 2335.35,2376.68 v1(2386,2376.68) ; R20_b3.1@2414.46,2761.68 R33_b3.1@2414.46,2684.68 2414.46,2613.74 2449.94,2613.74 v1(2468,2595.68)
  Bottom Layer w12: v1(2386,2376.68) 2468,2458.68 v1(2468,2595.68)
VOUT2_b4: D4_b4.2 R20_b4.1 R33_b4.1 U4_b4.3 | length 513.4
  Top Layer w12: U4_b4.3@2334.76,1299.28 2335.35,1298.68 v1(2386,1298.68) ; R20_b4.1@2414.46,1683.68 R33_b4.1@2414.46,1606.68 2414.46,1535.74 2449.94,1535.74 v1(2468,1517.68)
  Bottom Layer w12: v1(2386,1298.68) 2468,1380.68 v1(2468,1517.68)
VOUT2_b5: D4_b5.2 R20_b5.1 R33_b5.1 U4_b5.3 | length 513.4
  Top Layer w12: U4_b5.3@2334.76,221.28 2335.35,220.68 v1(2386,220.68) ; R20_b5.1@2414.46,605.68 R33_b5.1@2414.46,528.68 2414.46,457.74 2449.94,457.74 v1(2468,439.68)
  Bottom Layer w12: v1(2386,220.68) 2468,302.68 v1(2468,439.68)
VOUT2_b6: D4_b6.2 R20_b6.1 R33_b6.1 U4_b6.3 | length 513.4
  Top Layer w12: U4_b6.3@7304.01,3455.6 7304.61,3455 v1(7355.25,3455) ; R20_b6.1@7383.72,3840 R33_b6.1@7383.72,3763 7383.72,3692.06 7419.19,3692.06 v1(7437.25,3674)
  Bottom Layer w12: v1(7355.25,3455) 7437.25,3537 v1(7437.25,3674)
VOUT2_b7: D4_b7.2 R20_b7.1 R33_b7.1 U4_b7.3 | length 513.4
  Top Layer w12: U4_b7.3@7304.01,2377.6 7304.61,2377 v1(7355.25,2377) ; R20_b7.1@7383.72,2762 R33_b7.1@7383.72,2685 7383.72,2614.06 7419.19,2614.06 v1(7437.25,2596)
  Bottom Layer w12: v1(7355.25,2377) 7437.25,2459 v1(7437.25,2596)
VOUT2_b8: D4_b8.2 R20_b8.1 R33_b8.1 U4_b8.3 | length 513.4
  Top Layer w12: U4_b8.3@7304.01,1298.6 7304.61,1298 v1(7355.25,1298) ; R20_b8.1@7383.72,1683 R33_b8.1@7383.72,1606 7383.72,1535.06 7419.19,1535.06 v1(7437.25,1517)
  Bottom Layer w12: v1(7355.25,1298) 7437.25,1380 v1(7437.25,1517)
VOUT2_b9: D4_b9.2 R20_b9.1 R33_b9.1 U4_b9.3 | length 513.4
  Top Layer w12: U4_b9.3@7304.01,219.6 7304.61,219 v1(7355.25,219) ; R20_b9.1@7383.72,604 R33_b9.1@7383.72,527 7383.72,456.06 7419.19,456.06 v1(7437.25,438)
  Bottom Layer w12: v1(7355.25,219) 7437.25,301 v1(7437.25,438)
VOUT2_b10: 
VOUT2_b11: 
VOUT2_b12: 
VOUT2_b13: 
VOUT2_b14: 
VOUT2_b15: 
VOUT2_b16: 
VOUT2_b17: 
pads on no net: J1.3
copper on no net:
  other v4: 160,160 10340,160 160,5670 10340,5670

## Polygon pours and split planes (outlines as drawn)
OUT_G16 on Top Layer "OUT_G16_L01_P001" (solid, remove dead copper, pour order 1): 160,0 cw(c160,160) 0,160 0,5670 cw(c160,5670) 160,5830 10340,5830 cw(c10340,5670) 10500,5670 10500,160 cw(c10340,160) 10340,0
OUT_G16 on Bottom Layer "OUT_G16_L02_P000" (solid, remove dead copper, pour order 0): 160,0 cw(c160,160) 0,160 0,5670 cw(c160,5670) 160,5830 10340,5830 cw(c10340,5670) 10500,5670 10500,160 cw(c10340,160) 10340,0

## Keep-outs
Keep-Out Layer:
  the board outline again, w10

## Dimensions
-259,0 to -270,5830 on Keep-Out Layer
0,-217 to 10500,-275 on Keep-Out Layer